# Altium PCB DIOT_PSU_AC_180.pcbdoc (part 1 of 2) (continued)
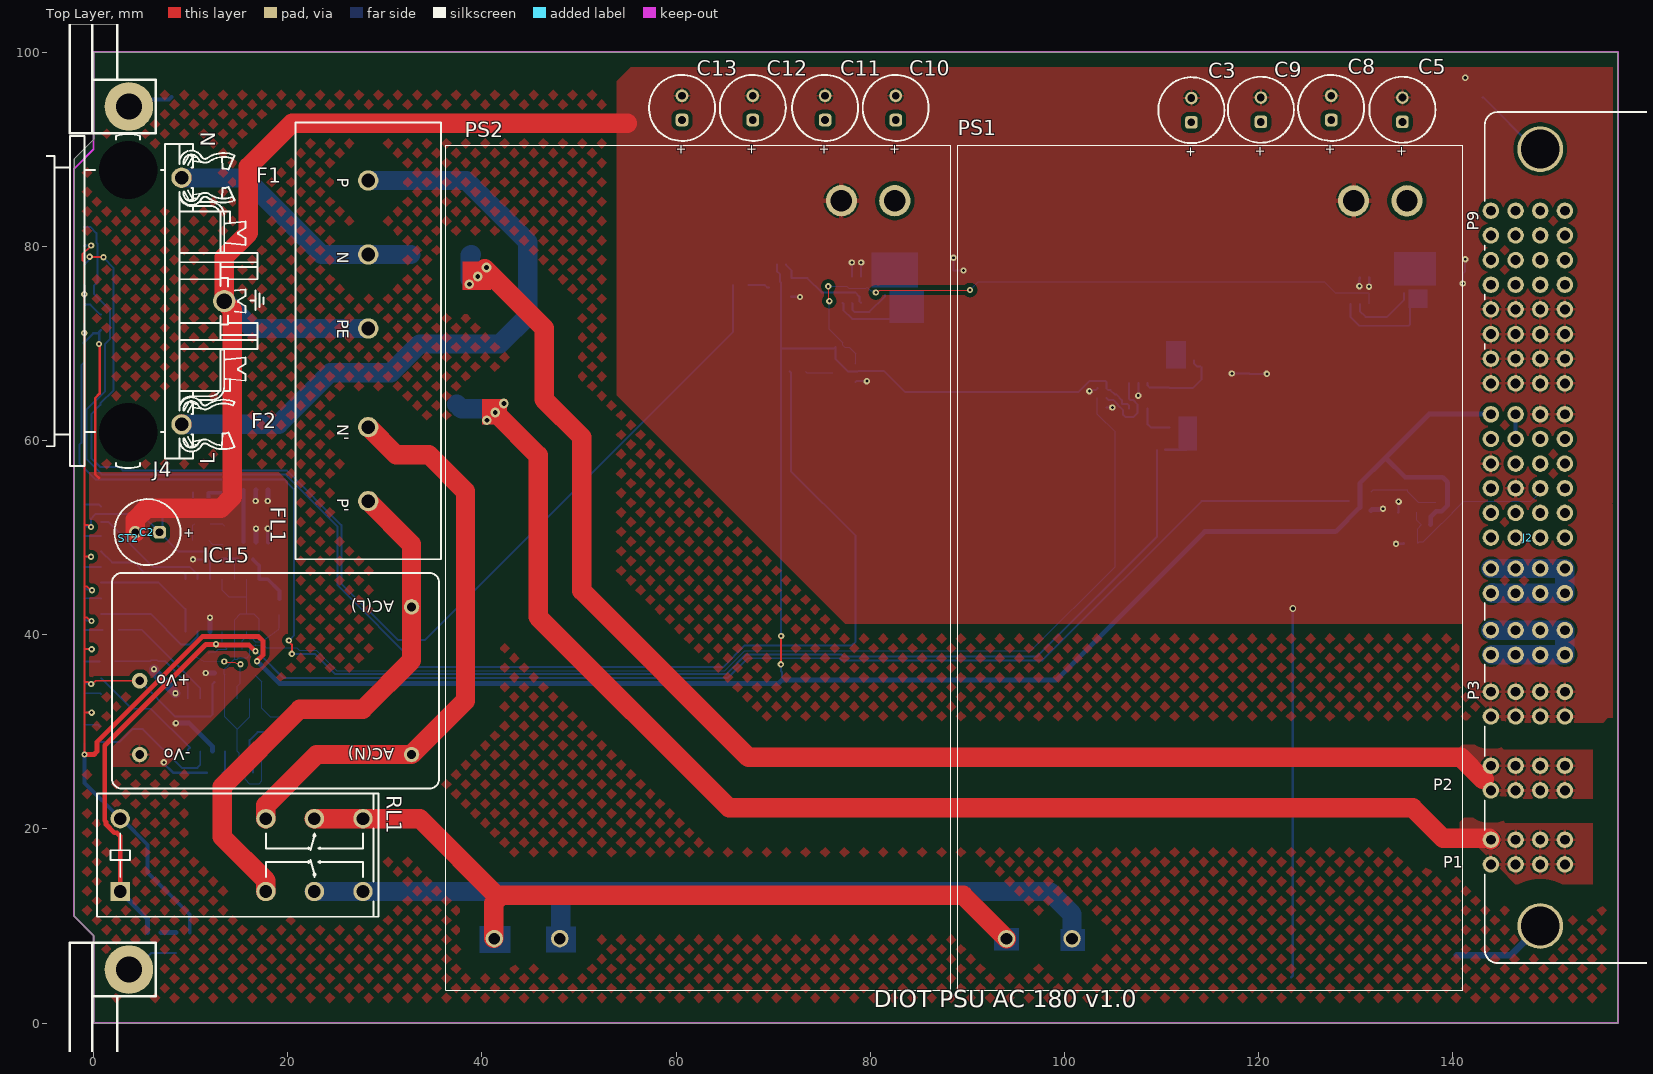
[diagram p0: Top Layer view]
## Footprints (in the part's own frame and the unit in brackets; to place one, negate y for a bottom-side part, rotate by r counter-clockwise, add the part's x,y. Pads: shape width x height; smd on the part's side, far side on the other; paste and mask are expansions set on the pad)
AMPHENOL_51939-667 [mm] "Right Angle PowerBlade Power Connector 3ACP + 2P + 24S + 4P Contacts"
  round 1.7 hole 1: A1(0,-33.66) A2(0,-31.12) A3(0,-28.58) A4(0,-26.04) A5(0,-23.5) A6(0,-20.96) B1(-2.54,-33.66) B2(-2.54,-31.12) B3(-2.54,-28.58) B4(-2.54,-26.04) B5(-2.54,-23.5) B6(-2.54,-20.96) C1(-5.08,-33.66) C2(-5.08,-31.12) C3(-5.08,-28.58) C4(-5.08,-26.04) C5(-5.08,-23.5) C6(-5.08,-20.96) D1(-7.62,-33.66) D2(-7.62,-31.12) D3(-7.62,-28.58) D4(-7.62,-26.04) D5(-7.62,-23.5) D6(-7.62,-20.96) P1(-7.62,-67.32) P1(-7.62,-64.78) P1(-5.08,-67.32) P1(-5.08,-64.78) P1(-2.54,-67.32) P1(-2.54,-64.78) P1(0,-67.32) P1(0,-64.78) P2(-7.62,-59.7) P2(-7.62,-57.16) P2(-5.08,-59.7) P2(-5.08,-57.16) P2(-2.54,-59.7) P2(-2.54,-57.16) P2(0,-59.7) P2(0,-57.16) P3(-7.62,-52.08) P3(-7.62,-49.54) P3(-5.08,-52.08) P3(-5.08,-49.54) P3(-2.54,-52.08) P3(-2.54,-49.54) P3(0,-52.08) P3(0,-49.54) P4(-7.62,-45.73) P4(-7.62,-43.19) P4(-5.08,-45.73) P4(-5.08,-43.19) P4(-2.54,-45.73) P4(-2.54,-43.19) P4(0,-45.73) P4(0,-43.19) P5(-7.62,-39.38) P5(-7.62,-36.84) P5(-5.08,-39.38) P5(-5.08,-36.84) P5(-2.54,-39.38) P5(-2.54,-36.84) P5(0,-39.38) P5(0,-36.84) P6(-7.62,-17.78) P6(-7.62,-15.24) P6(-5.08,-17.78) P6(-5.08,-15.24) P6(-2.54,-17.78) P6(-2.54,-15.24) P6(0,-17.78) P6(0,-15.24) P7(-7.62,-12.7) P7(-7.62,-10.16) P7(-5.08,-12.7) P7(-5.08,-10.16) P7(-2.54,-12.7) P7(-2.54,-10.16) P7(0,-12.7) P7(0,-10.16) P8(-7.62,-7.62) P8(-7.62,-5.08) P8(-5.08,-7.62) P8(-5.08,-5.08) P8(-2.54,-7.62) P8(-2.54,-5.08) P8(0,-7.62) P8(0,-5.08) P9(-7.62,-2.54) P9(-7.62,0) P9(-5.08,-2.54) P9(-5.08,0) P9(-2.54,-2.54) P9(-2.54,0) P9(0,-2.54) P9(0,0)
  round 4.7 / inner round 4.7 / far side round 6.4 hole 4: MTG1(-2.54,6.345)
  round 4.7 / inner round 4.3 / far side round 6.4 hole 4: MTG2(-2.54,-73.665)
  silkscreen extent -8.25,-77.47 15.37,10.16, body extent -8.25,-77.47 15.37,10.16, height 12.57
CAPC1005X55N [mm] "Capacitor, Non-Polarized, Chip; 1.00mm L X 0.50mm W X 0.70mm H, IPC Medium Density"
  rect 0.62x0.62 smd: 1(-0.45,0) 2(0.45,0)
  body extent -0.52,-0.27 0.53,0.28, height 0.55
CAPC2013X145N [mm] "Capacitor, Non-Polarized, Chip; 2.00mm L X 1.25mm W X 1.45mm H, IPC Medium Density"
  rect 1.15x1.45 smd: 1(-0.9,0) 2(0.9,0)
  silkscreen extent 0,-0.63 0,0.63, body extent -1.1,-0.72 1.1,0.73, height 1.45
CONV_IRM-90-12 [mm]
  round 3.216 hole 2.2: +VO(37.8,-20.25) -VO(37.8,-14.75)
  round 1.8 hole 1.2: AC_L(-38.2,14.25) AC_N(-38.2,21)
  silkscreen extent -43.5,-26 43.5,26, body extent -43.5,-26 43.5,26, height 29.51
DIOM5436X261N [mm]
  rect 2.2x2.15 smd: 1(-2.2,0) 2(2.2,0)
  silkscreen extent -3.92,-1.8 2.7,1.8, body extent -2.7,-1.95 2.7,1.95, height 2.59
FIDUCIAL_TOP_C100-200 [mm] "Round Fiducial Target, Top Layer, 1.0mm, Top Solder 2.0mm, Keepout =2.0mm"
  round 1 smd paste-0.51 mask+0.5: FTG2(0,0)
  Top Layer keep-out circle w0.1: c0,0 r1
FIDUCIAL_TOP_S100-200 [mm] "Square Fiducial Target, Top Layer, 1.0mm, Top Solder 2.0mm, Keepout =2.0mm"
  rect 1x1 smd rot 45 paste-0.51 mask+0.5: 1(0,0)
  Top Layer keep-out region: 1.414,0 0,-1.414 -1.414,0 0,1.414
"FIL_SCHAFFNER_FN 406" [mm] "0.5 to 8.4A 250VAC Single Phase Ultra Compact EMC Filter (Body 45 x 15 x 28mm)"
  round 2.1 hole 1.4: N(-8.89,0) N'(8.89,0) P(-16.51,0) P'(16.51,0) PE(-1.27,0)
  silkscreen extent -22.5,-7.5 22.5,7.5, body extent -22.5,-7.55 22.5,7.54, height 29.5
FP-DFN3x3A_8L_EP1_P-MFG [mm]
  rect 0.35x0.5 smd paste+0 mask+0: 1(-0.975,-1.4) 2(-0.325,-1.4) 3(0.325,-1.4) 4(0.975,-1.4)
  round 1.769 smd paste+0 mask+0: 5-6-7-8(-0.038,0.367)
  Top Layer region: -1.225,-0.63 -1.225,-0.215 -1.605,-0.215 -1.605,0.215 -1.225,0.215 -1.225,1.35 -1.175,1.35 -1.175,1.65 -0.775,1.65 -0.775,1.35 -0.525,1.35 -0.525,1.65 -0.125,1.65 -0.125,1.35 0.125,1.35 0.125,1.65 0.525,1.65 0.525,1.35 0.775,1.35 0.775,1.65 1.175,1.65 1.175,1.35 1.225,1.35 1.225,0.215 1.605,0.215 1.605,-0.215 1.225,-0.215 1.225,-0.63
  silkscreen extent -1.9,-2.35 1.9,1.55, body extent -1.55,-1.6 1.55,1.6, height 0.9
FUSE_5X20_GLASS_v [mm] "Generic 5x20mm Cylindrical Glass Fuse (Vertical Mount)"
  body extent -2.5,-2.5 2.5,2.5, height 20
LED_AVAGO_HSME-C120 [mm] "Green Chip LED, 2-Leads, Body 1.7x1.1mm, Side Emitting Package"
  rect 0.8x0.7 smd: 1(-1,0) 2(1,0)
  rect 0.4x0.4 smd: 3(0,-0.35)
  silkscreen extent -1.12,-0.92 0.42,0.8, body extent -0.85,-0.3 0.85,0.8, height 0.7
PWS_MEANWELL_IRM-02 [mm] "IRM-02 Series, Body 33.7x22.2mm, Power Supply"
  round 1.6 hole 0.9: 1(-14,7.6) 2(-14,-7.6) 3(14,7.6) 4(14,0)
  silkscreen extent -16.85,-11.1 16.85,11.1, body extent -16.85,-11.1 16.85,11.1, height 15
REL_OMRON_G2RL-2-5DC [mm] "8 Leads, Row Spacing 7.5 mm; Body 29mm x 12.7mm, OMRON_G2RL Series"
  rect 2x2 hole 1.3: 1(-12.1,-3.75)
  round 2 hole 1.3: 2(2.9,-3.75) 3(7.9,-3.75) 4(12.9,-3.75) 5(12.9,3.75) 6(7.9,3.75) 7(2.9,3.75) 8(-12.1,3.75)
  silkscreen extent -14.5,-6.35 14.5,6.35, body extent -14.5,-6.35 14.5,6.35, height 15.7
RES_VISHAY_WSK2512_0R005-0R2 [mm] "EIA 2512, Metric 6332, Current Sense Resistor, Chip, 0.89mm H, IPC Medium Density"
  rect 1.4x0.76 smd: E1(-3.43,-1.27) E2(3.43,1.27)
  rect 2.29x2.03 smd: I1(-2.985,0.635) I2(2.985,-0.635)
  Top Layer keep-out region: -2.48,-0.89 -1.84,-0.89 -1.84,-1.65 -2.48,-1.65
  Top Layer keep-out region: 2.48,0.89 1.84,0.89 1.84,1.65 2.48,1.65
  silkscreen extent -2.38,-1.72 2.38,1.72, body extent -3.3,-1.72 3.3,1.72, height 0.89
RESC1005X40N [mm] "Chip Resistor, EIA 0402, Metric 1005, Body 1.0x0.5mm, IPC Medium Density"
  rect 0.58x0.62 smd: 1(-0.47,0) 2(0.47,0)
  body extent -0.52,-0.27 0.53,0.28, height 0.4
RESC1608X55N [mm] "Chip Resistor, EIA 0603, Metric 1608, Body 1.6x0.8mm, IPC Medium Density"
  rect 0.9x1 smd: 1(-0.8,0) 2(0.8,0)
  body extent -0.87,-0.47 0.88,0.48, height 0.55
RESC6331X70N [mm] "Chip Resistor, EIA 2512, Metric 6331, 2-Leads, Body 6.3x3.1mm, IPC Medium Density"
  rect 1.05x3.3 smd: 1(-3.1,0) 2(3.1,0)
  silkscreen extent -2.2,-1.65 2.2,1.65, body extent -3.25,-1.65 3.25,1.65, height 0.7
SCHROFF_PANEL_3HP_8U_CPCIS_AC_PSU [mm] "Schroff PCB 8HP 3U Eurocard Panel Kit"
  round 5 hole 2.7: 0(0,0) 1(0,88.9)
  silkscreen extent -6.1,-8.6 2.75,97.5, body extent -43.8,-21.9 16.65,108.65, height 33.87
SCHURTER_GSF1.2202.31 [mm] "IEC Appliance Inlet C14 with 2 Pole Fuseholder"
  round 2.1 hole 1.4: 1(-12.7,-5.5) 3(12.7,-5.5)
  round 2.3 hole 1.6: 2(0,-9.9)
  round 1 hole 6 unplated mask+2.5: 4(-13.5,0) 5(13.5,0)
  silkscreen extent -17.2,-13.93 17.2,12, body extent -17.18,-13.3 17.18,12, height 24.45
SODFL1608X65N [mm] "Ultra Small Outline Diode Flat Lead (SOD-523), Body; 1.2mm L X 0.8mm W X 0.65mm H, IPC Medium Density"
  rect 0.75x0.5 smd: 1(-0.7,0) 2(0.7,0)
  silkscreen extent -1.23,0.63 -0.98,0.87, body extent -0.82,-0.42 0.83,0.43, height 0.65
SOIC127P600X175-8N [mm] "SOIC 8, Pitch 1.27mm - Body 4x5mm, IPC Medium Density"
  rect 1.55x0.6 smd: 1(-2.7,1.905) 2(-2.7,0.635) 3(-2.7,-0.635) 4(-2.7,-1.905) 5(2.7,-1.905) 6(2.7,-0.635) 7(2.7,0.635) 8(2.7,1.905)
  silkscreen extent -2.52,-2.5 1.55,2.88, body extent -3.1,-2.5 3.1,2.5, height 1.75
SOIC127P600X175-14N [mm] "SOIC 14, Pitch 1.27mm - Body 4x8.75mm, IPC Medium Density"
  rect 1.55x0.6 smd: 1(-2.7,3.81) 2(-2.7,2.54) 3(-2.7,1.27) 4(-2.7,0) 5(-2.7,-1.27) 6(-2.7,-2.54) 7(-2.7,-3.81) 8(2.7,-3.81) 9(2.7,-2.54) 10(2.7,-1.27) 11(2.7,0) 12(2.7,1.27) 13(2.7,2.54) 14(2.7,3.81)
  silkscreen extent -2.52,-4.4 1.55,4.78, body extent -3.1,-4.37 3.1,4.38, height 1.75
SOT95P240X110-3N [mm] "SOT23 3-Leads, Pitch 0.95mm, Body 1.3x2.9mm, IPC Medium Density"
  rect 1.05x0.65 smd: 1(-1.15,0.95) 2(-1.15,-0.95) 3(1.15,0)
  silkscreen extent -1.53,-1.45 0.3,1.92, body extent -1.25,-1.5 1.25,1.5, height 1.1
SOT95P280X100-6N [mm] "SOT23, 0.95mm pitch; 6 pin, 1.625mm W X 2.90mm L X 1.00mm H body, IPC Medium Density"
  rect 1.1x0.55 smd: 1(-1.35,0.95) 2(-1.35,0) 3(-1.35,-0.95) 4(1.35,-0.95) 5(1.35,0) 6(1.35,0.95)
  silkscreen extent -1.77,-1.45 0.48,1.87, body extent -1.4,-1.5 1.4,1.5, height 1
SOT95P280X145-5N [mm] "SOT, 0.95mm pitch; 5 pin, 1.60mm W X 2.90mm L X 1.45mm H body, IPC Medium Density"
  rect 1.1x0.6 smd: 1(-1.3,0.95) 2(-1.3,0) 3(-1.3,-0.95) 4(1.3,-0.95) 5(1.3,0.95)
  silkscreen extent -1.72,-1.45 0.43,1.87, body extent -1.4,-1.5 1.4,1.5, height 1.45
WCAP-ATLI_D6.3H15 [mm] "Aluminum Electrolytic Capacitors, 6.3x15mm"
  rrect50% 1.3x1.3 hole 0.8: 1(1.25,0)
  round 1.3 hole 0.8: 2(-1.25,0)
  silkscreen extent -3.4,-3.4 3.4,3.4, body extent -3.14,-3.15 3.15,3.15, height 15.31

## Part data
C1 C34: library part CC0805_2.2UF_35V_10%_X7R_TDK_CGA4J1X7R1V225K125AC, "Non-polarised capacitor", Case=0805, Manufacturer=TDK, Manufacturer Part Number=CGA4J1X7R1V225K125, Tolerance=±10%, Voltage=35V, Author="CERN DEM BC", Component Type=Standard, ComponentHeight=1.45mm, CreateDate=26.02.2016, HelpURL=\\cern.ch\dfs\Applications\Altium\Datasheets\CC0805_X7R_TDK_CGA.pdf, LatestRevisionDate=13.09.2016, Mounted=Yes, Part Description="SMD Multilayer Chip Ceramic Capacitor (Automotive Grade)", Part Number=CC0805_2.2UF_35V_10%_X7R_TDK_CGA4J1X7R1V225K125AC, Pin Count=2, Sense=No, SMD=Yes, Socket=No, Status="Not Recommended", TC=X7R
C2 C3 C5 C8 C9 C10 C11 C12 C13: library part 860080473007, "WCAP-ATLI Aluminum Electrolytic Capacitor, Radial, THT, D6.3 x H15mm, 120µF, 25V", Capacitance Tolerance=+/-20%, Leakage Current=30µA, Manufacturer="Wurth Elektronik", Operating Temperature Max=105°C, Operating Temperature Min=-55°C, Rated Voltage (DC)=25V, Ripple Current=490mA, Capacitance=120µF, Category="Aluminum Electrolytic Capacitors", ComponentLink1Description="Website Link", ComponentLink1URL=https://www.we-online.com/redexpert/article/860080473007?ad, ComponentLink2Description="Datasheet Link", ComponentLink2URL=https://www.we-online.com/redexpert/spec/860080473007?ad, Diameter=6.3mm, Dissipation Factor=10%, Endurance=2000h, Height=15mm, Manufacturer Part Number=860080473007, Match Code=WCAP-ATLI, Mount="Through Hole", Packaging="Ammo Pack", Technical Reference=ATED150121M025DSPA4B000
C4 C6 C22: library part CC0402_100NF_25V_10%_X7R_YUDEN_TMK105B7104KVHF, "Non-polarised capacitor", Case=0402, Manufacturer="TAIYO YUDEN", Manufacturer Part Number=TMK105B7104KVHF, Tolerance=±10%, Voltage=25V, Author="CERN DEM JLC", Component Type=Standard, ComponentHeight=0.55mm, CreateDate=10/05/2017, HelpURL=\\cern.ch\dfs\Applications\Altium\Datasheets\CC0402_TAIYO-YUDEN_TMK105B7104KVHF.pdf, LatestRevisionDate=10/05/2017, Mounted=Yes, Part Description="SMD Multilayer Chip Ceramic Capacitor (High Dielectric Type) for Automotive / Industrial Applications", Part Number=CC0402_100NF_25V_10%_X7R_YUDEN_TMK105B7104KVHF, Pin Count=2, Sense=No, SMD=Yes, Socket=No, Status="Not Recommended", TC=X7R
C7: library part CC0402_10NF_50V_10%_X7R, "Non-polarised capacitor", Case=0402, Manufacturer=GENERIC, Manufacturer1 ComponentHeight=0.55mm, Manufacturer1 Example=MURATA, Manufacturer1 Part Number=GRM155R71H103KA88D, Tolerance=±10%, Voltage=50V, Author="CERN DEM MR", Component Type=Standard, CreateDate=08/01/2016, HelpURL=\\cern.ch\dfs\Applications\Altium\Datasheets\CC0402_X7R_MURATA_GRM.pdf, LatestRevisionDate=08/01/2016, Manufacturer Part Number=CC0402_10NF_50V_10%_X7R, Mounted=Yes, Part Description="SMD Multilayer Chip Ceramic Capacitor", Part Number=CC0402_10NF_50V_10%_X7R, Pin Count=2, Sense=No, SMD=Yes, Socket=No, Status=None, TC=X7R
D1 D2 D10: "ESD protection diode", Case=SOD523, Manufacturer="NXP SEMICONDUCTORS", Power=330W, Voltage=3V3, Author="CERN DEM JLC", Bonding=No, Component Type=Standard, ComponentHeight=0.65mm, CreateDate=29.11.2012, Device=PESD3V3S1UB, HelpURL=\\cern.ch\dfs\Applications\Altium\Datasheets\PESD3V3S1UB.pdf, LatestRevisionDate=29.11.2012, Manufacturer Part Number=PESD3V3S1UB, Mounted=Yes, PackageDescription="Ultra Small Outline Diode Flat Lead (SOD-523), Body; 1.2mm L X 0.8mm W X 0.65mm H, IPC Medium Density", Part Description="ESD protection diode (23kV)", Part Number=PESD3V3S1UB, Pin Count=2, PressFit=No, Sense=No, SMD=Yes, Socket=No
D5: "Transient Voltage Suppressor Diode (Uni-Directional)", Case=SMB, Manufacturer=LITTELFUSE, Power=600W, Voltage=15V, Author="CERN DEM JLC", Bonding=No, Component Type=Standard, ComponentHeight=2.61mm, CreateDate=12.07.2017, Device=P6SMB15A, HelpURL=\\cern.ch\dfs\Applications\Altium\Datasheets\P6SMB15A.pdf, LatestRevisionDate=12.07.2017, Manufacturer Part Number=P6SMB15A, Mounted=Yes, PackageDescription="DO-214-AA/SMB Diode, Molded Body; 5.40mm L X 3.62mm W X 2.61mm H, IPC Medium Density", Part Description="Uni-directional Transient Voltage Suppressor (TVS) Diode", Part Number=P6SMB15A, Pin Count=2, PressFit=No, Sense=No, SMD=Yes, Socket=No
F1 F2: library part FUSE_SCHURTER_0034.3127_v, "Fuse", Manufacturer=SCHURTER, Manufacturer Part Number=0034.3127, Author="CERN DEM JLC", Component Type=Standard, ComponentHeight=20.5mm, CreateDate=28.01.2013, Family=Fuse, HelpURL=\\cern.ch\dfs\Applications\Altium\Datasheets\FUSE_SCHURTER_FST5X20.pdf, LatestRevisionDate=28.01.2013, Mounted=Yes, PackageDescription="5x20mm Cylindrical Fuse, SCHURTER FST5X20 Series", Part Description="Cylindrical 5x20 mm, Time-Lag T Miniature Fuse, FST Series", Part Number=FUSE_SCHURTER_0034.3127_v, Pin Count=0, PressFit=No, Sense=No, SMD=No, Socket=Yes
FL1: library part "FIL_SCHAFFNER_FN 406-1-02", "0.6 to 8.4A 230VAC Single Phase Ultra Compact EMC Filter", Case="L45 W15 H28", Manufacturer=SCHAFFNER, Manufacturer Part Number=FN406-3-02, Part Number=FIL_SCHAFFNER_FN406-3-02, Author="CERN DEM JLC", Component Type=Standard, ComponentHeight=28mm, CreateDate=24.05.2017, HelpURL="\\cern.ch\dfs\Applications\Altium\Datasheets\FIL_SCHAFFNER_FN 406-1-02.pdf", LatestRevisionDate=24.05.2017, Mounted=Yes, Part Description="Single Phase Ultra Compact EMC Filter", Pin Count=5, Sense=No, SMD=No, Socket=No
FTG1 FTG3: library part FIDUCIAL_TARGET_C100-200, "Fiducial Target", Author="CERN DEM JLC", Component Type="Standard (No BOM)", ComponentHeight=0mm, CreateDate=09.02.2010, Family=Fiducial, HelpURL=Undefined, LatestRevisionDate=04.04.2012, Mounted=No, PackageDescription="Round Fiducial Target, Top Layer, 1.0mm, Top Solder 2.0mm, Keepout =2.0mm", Part Description="Round Fiducial Target, Top Layer, 1.0mm, Top Solder 2.0mm, Keepout =2.0mm", Part Number=FIDUCIAL_TARGET_C100-200, Pin Count=1, Sense=No, SMD=Yes, Socket=No, Status=None
FTG2 FTG4: library part FIDUCIAL_TARGET_S100-200, "Fiducial Target", Author="CERN DEM JLC", Component Type="Standard (No BOM)", ComponentHeight=0mm, CreateDate=09.02.2010, Family=Fiducial, HelpURL=Undefined, LatestRevisionDate=04.04.2012, Mounted=No, PackageDescription="Square Fiducial Target, Top Layer, 1.0mm, Top Solder 2.0mm, Keepout =2.0mm", Part Description="Square Fiducial Target, Top Layer, 1.0mm, Top Solder 2.0mm, Keepout =2.0mm", Part Number=FIDUCIAL_TARGET_S100-200, Pin Count=1, Sense=No, SMD=Yes, Socket=No, Status=None
IC1 IC3: library part LTC4412HVIS6#PBF, "36V, Low Loss PowerPathTM Controller in ThinSOT", Case=SOT23-6, Manufacturer="LINEAR TECHNOLOGY", Author="CERN DEM JLC", Bonding=No, Component Type=Standard, ComponentHeight=1mm, CreateDate=22.03.2018, Device=LTC4412HVIS6, HelpURL=\\cern.ch\dfs\Applications\Altium\Datasheets\LTC4412HVIS6#PBF.pdf, LatestRevisionDate=02.02.2022, Manufacturer Part Number=LTC4412HVIS6, Mounted=Yes, PackageDescription="SOT, 0.95mm Pitch; 6 Pin, 1.625mm W X 2.90mm L X 1.00mm H body, IPC Medium Density", Part Description="36V, Low Loss PowerPath Controller in ThinSOT", Part Number=LTC4412HVIS6#PBF, Pin Count=6, PressFit=No, Sense=No, SMD=Yes, Socket=No
IC2 IC4: "Quad Operational Amplifier", Case=SOIC14, Manufacturer="TEXAS INSTRUMENTS", Author="CERN DEM JLC", Bonding=No, Component Type=Standard, ComponentHeight=1.75mm, CreateDate=09.03.2011, Device=LM339AD, HelpURL=\\cern.ch\dfs\Applications\Altium\Datasheets\LM339AD.pdf, LatestRevisionDate=09.03.2011, Manufacturer Part Number=LM339AD, Mounted=Yes, PackageDescription="SOIC 14, Pitch 1.27mm - Body 4x8.75mm, IPC Medium Density", Part Description="Quad Differential Comparator", Part Number=LM339AD, Pin Count=14, PressFit=No, Sense=No, SMD=Yes, Socket=No
IC8: "Precision Programmable Reference", Case=SOIC8, Manufacturer="TEXAS INSTRUMENTS", Author="CERN DEM JLC", Bonding=No, Component Type=Standard, ComponentHeight=1.75mm, CreateDate=18.01.2011, Device=TL431CD, HelpURL=\\cern.ch\dfs\Applications\Altium\Datasheets\TL431CD.pdf, LatestRevisionDate=28.02.2011, Manufacturer Part Number=TL431CD, Mounted=Yes, PackageDescription="SOIC 8, Pitch 1.27mm, Body 4x5mm, IPC Medium Density", Part Description="Vref (2.5V) To 36V 2% Precision Programmable Reference", Part Number=TL431CD, Pin Count=8, PressFit=No, Sense=No, SMD=Yes, Socket=No
IC12: "Current Shunt Monitor -16V to +80V Common-Mode Range", Case=SOT23-5, Manufacturer="TEXAS INSTRUMENTS", Author="CERN DEM JLC", Bonding=No, Component Type=Standard, ComponentHeight=1.45mm, CreateDate=10.05.2010, Device=INA194AIDBVT, HelpURL=\\cern.ch\dfs\Applications\Altium\Datasheets\INA194AIDBVT.pdf, LatestRevisionDate=10.05.2010, Manufacturer Part Number=INA194AIDBVT, Mounted=Yes, PackageDescription="SOT, 0.95mm pitch; 5 pin, 1.60mm W X 2.90mm L X 1.45mm H body, IPC Medium Density", Part Description="Current Shunt Monitor -16V to +80V Common-Mode Range", Part Number=INA194AIDBVT, Pin Count=5, PressFit=No, Sense=No, SMD=Yes, Socket=No
IC15: library part AC_DC_IRM-02-5, "Power Supply", Manufacturer="MEAN WELL", Author=GK, Bonding=No, Component Type=Standard, ComponentHeight=15mm, CreateDate=14.02.2018, Device=IRM-02-5, HelpURL=\\cern.ch\dfs\Applications\Altium\Datasheets\IRM-02-24.pdf, LatestRevisionDate=14.02.2018, Manufacturer Part Number=IRM-02-5, Mounted=Yes, PackageDescription="IRM-02 Series, Body 33.7x22.2mm, Power Supply", Part Description="85-305VAC to 5VDC (400mA) 2W Power Supply", Part Number=IRM-02-5, Pin Count=4, PressFit=No, Sense=No, SMD=No, Socket=No, Status=None
J2: library part AMPHENOL_51939-667, "Thru-Hole, Lead 3.43mm, PowerBlade Right Angled Power Connector 3ACP 2P 24S 4P Contacts", Manufacturer=AMPHENOL, Manufacturer Part Number=51939-667, Author="CERN DEM JLC", ComponentHeight=12.57mm, Component Type=Standard, CreateDate=05.03.2019, Family=PwrBlade, HelpURL=\\cern.ch\dfs\Applications\Altium\Datasheets\AMPHENOL_51939-667.pdf, LatestRevisionDate=05.03.2019, Mounted=Yes, Part Description="Right Angle PowerBlade Power Connector 3ACP + 2P + 24S + 4P Contacts", Part Number=AMPHENOL_51939-667, Pin Count=33, PressFit=No, Sense=No, SMD=No, Socket=No, Status=None
J4: library part SCHURTER_GSF1.2202.31, "Connector 3 Male 2P+ 2 Fuse Holder", Manufacturer=SCHURTER, Manufacturer Part Number=GSF1.2201.31, Part Number=SCHURTER_GSF1.2201.31, Author="CERN DEM JMW", Component Type=Standard, ComponentHeight=24.45mm, CreateDate=20.09.2012, Family=IEC, HelpURL=\\cern.ch\dfs\Applications\Altium\Datasheets\SCHURTER_GSF1.2202.31.pdf, LatestRevisionDate=20.09.2012, Mounted=Yes, Part Description="10A 250Vac Sandwich Panel Mount (1.5mm) Inlet IEC Connector With 2 Fuseholder 5x20mm And Snap-in PCB Mount", Pin Count=3, PressFit=No, Sense=No, SMD=No, Socket=No, Status=None
LD1 LD2 LD3 LD4 LD5 LD6 LD7 LD8 LD9 LD10 LD11 LD12: library part LED_AVAGO_HSME-C120, "LED Green 1C 2A", Manufacturer="AVAGO TECHNOLOGIES", Manufacturer Part Number=HSME-C120, Author="CERN DEM JMW", Bonding=No, Color=Green, Component Type=Standard, ComponentHeight=0.7mm, ComponentLink1Description="Design Guide", ComponentLink1URL=\\cern.ch\dfs\Applications\Altium\Datasheets\LED_AVAGO_HSME-C110_DESIGN-GUIDE.pdf, CreateDate=22.07.2009, HelpURL=\\cern.ch\dfs\Applications\Altium\Datasheets\LED_AVAGO_HSME-C120.pdf, LatestRevisionDate=20.06.2012, Mounted=Yes, PackageDescription="Green Chip LED, 2-Leads, Body 1.7x1.1mm, Side Emitting Package", Part Description="High Performance Right Angle Chip Green LED", Part Number=LED_AVAGO_HSME-C120, Pin Count=2, PressFit=No, Sense=No, SMD=Yes, Socket=No
PS1 PS2: library part AC_DC_IRM-90-12, Package=None, Availability=Unavailable, MF="{'manufacturer': u'MEAN WELL USA Inc.'}", MP=IRM-90-12, Price=None
Q1 Q2: library part CMP-83955-000002-1, "MOSFET P-CH 30V 3X3 DFN", Continuous Drain Current=-24A, Drain To Source Breakdown Voltage=-30V, Drain To Source Resistance=9.2mΩ, Gate To Source Voltage=25V, Input Capacitace At Vds="1995pF @ -15V", Manufacturer="Alpha & Omega Semiconductor", Max Forward Diode Voltage=-1V, Max Junction Temp=+150°C, Package=DFN3x3A_8L_EP1_P, Power Dissipation=5W, Pulse Drain Current=-82A, Temperature="-55°C to +150°C", Temperature Range Low=-55°C, Typ Forward Diode Voltage=-0.7V, Automotive=No, Category=Trans, ComponentLink2Description=Datasheet, ComponentLink2URL=http://www.aosmd.com/res/data_sheets/AONR21307.pdf, Depletion Mode=False, Device Class L1="Discrete Semiconductors", Device Class L2=Transistors, Device Class L3=MOSFETs, Digikey Description="MOSFET P-CH 30V 3X3 DFN", Drain To Source Voltage=-30V, Footprint Url=http://www.aosmd.com/res/packaging_information/DFN3x3A_8L_EP1_P.pdf, Gate Charge At Vgs="35nC @ -10V", Height=0.9mm, Lead Free=Yes, Manufacturer Part Number=AONR21307, Number Of Channels=1, Number Of P Channels=1, Octopart=https://octopart.com/aonr21307-alpha+%26+omega+semiconductor-96014004, Reverse Recovery Charge=20nC, Reverse Recovery Time=13.3ns, RoHS=TRUE, Rthja Max=45°C/W, Standoff Height=0mm, Temperature Range High=+150°C, Threshold Vgs Max=-2.3V, Threshold Vgs Min=-1.3V, Turn Off Delay Time=43.5ns, Turn On Delay Time=11ns
R1: library part R2512_0R002_1%_1W_35PPM_VISHAY_WSK, "Power and Current Sensing Resistor", Case=2512, Manufacturer="VISHAY DALE", Manufacturer Part Number=WSK25122L000FEA, Power=1W, Tolerance=±1%, Author="CERN DEM MR", Component Type=Standard, ComponentHeight=0.89mm, CreateDate=08.11.2016, HelpURL=\\cern.ch\dfs\Applications\Altium\Datasheets\R2512_VISHAY_WSK.pdf, LatestRevisionDate=19.02.2018, Mounted=Yes, Part Description="Power Metal Strip® Resistor, Low Value", Part Number=R2512_0R002_1%_1W_35PPM_VISHAY_WSK, Pin Count=4, PressFit=No, Sense=No, SMD=Yes, Socket=No, Status=None, TC=±35ppm/°C
R2 R4 R6 R8 R11 R13 R46 R47 R48 R56 R58 R60: library part R0603_10K_1%_0.1W_100PPM, "Resistor - 1%", Case=0603, Manufacturer=GENERIC, Manufacturer1 ComponentHeight=0.55mm, Manufacturer1 Example="NIC COMPONENT", Manufacturer1 Part Number=NRC06F1002TRF, Power=0.1W, Tolerance=±1%, Author="CERN DEM JLC", Component Type=Standard, CreateDate=03.12.2007, HelpURL=\\cern.ch\dfs\Applications\Altium\Datasheets\R0603_NIC_NRC.pdf, LatestRevisionDate=13.03.2008, Manufacturer Part Number=R0603_10K_1%_0.1W_100PPM, Mounted=Yes, Part Description="General Purpose Thick Film Chip Resistor", Part Number=R0603_10K_1%_0.1W_100PPM, Pin Count=2, PressFit=No, Sense=No, SMD=Yes, Socket=No, Status=Preferred, TC=±100ppm/°C
R3 R15 R16 R21 R45: library part R0402_10K_1%_0.0625W_100PPM, "Resistor - 1%", Case=0402, Manufacturer=GENERIC, Manufacturer1 ComponentHeight=0.4mm, Manufacturer1 Example="YAGEO PHYCOMP", Manufacturer1 Part Number=232270671003L, Power=0.0625W, Tolerance=±1%, Author="CERN DEM JLC", Component Type=Standard, HelpURL=\\cern.ch\dfs\Applications\Altium\Datasheets\R0402_Phycomp_RC0402.pdf, Manufacturer Part Number=R0402_10K_1%_0.0625W_100PPM, Mounted=Yes, Part Description="General Purpose Thick Film Chip Resistor", Part Number=R0402_10K_1%_0.0625W_100PPM, Pin Count=2, SMD=Yes, Socket=No, TC=±100ppm/°C
  R3 R15 R16 R21: CreateDate=2007-12-03, LatestRevisionDate=2012-10-17, Status="Not recommended", Table="Resistors SMD"
  R45: CreateDate=03/12/2007, LatestRevisionDate=17/10/2012, PressFit=No, Sense=No, Status="Not Recommended"
R5 R7 R9 R10 R12 R14 R20 R42 R43 R44 R55 R57 R59: library part R0603_1K_1%_0.1W_100PPM, "Resistor - 1%", Case=0603, Manufacturer=GENERIC, Manufacturer1 ComponentHeight=0.55mm, Manufacturer1 Example="NIC COMPONENT", Manufacturer1 Part Number=NRC06F1001TRF, Power=0.1W, Tolerance=±1%, Author="CERN DEM JLC", Component Type=Standard, CreateDate=03.12.2007, HelpURL=\\cern.ch\dfs\Applications\Altium\Datasheets\R0603_NIC_NRC.pdf, LatestRevisionDate=13.03.2008, Manufacturer Part Number=R0603_1K_1%_0.1W_100PPM, Mounted=Yes, Part Description="General Purpose Thick Film Chip Resistor", Part Number=R0603_1K_1%_0.1W_100PPM, Pin Count=2, PressFit=No, Sense=No, SMD=Yes, Socket=No, Status=Preferred, TC=±100ppm/°C
R17 R18: library part R2512_NO-VALUE, "Resistor", Case=2512, Author="CERN DEM JLC", Component Type=Standard, CreateDate=01.04.2014, HelpURL=Undefined, LatestRevisionDate=01.04.2014, Manufacturer=Undefined, Manufacturer1 ComponentHeight=Undefined, Manufacturer1 Example=Undefined, Manufacturer1 Part Number=Undefined, Manufacturer Part Number=R2512_NO-VALUE, Mounted=No, Part Description="Reserved Footprint For a 2512 (6332) Chip Resistor", Part Number=R2512_NO-VALUE, Pin Count=2, PressFit=No, Sense=No, SMD=Yes, Socket=No, Status=None
R19: library part R0402_1K_1%_0.0625W_100PPM, "Resistor - 1%", Case=0402, Manufacturer=GENERIC, Manufacturer1 ComponentHeight=0.4mm, Manufacturer1 Example="YAGEO PHYCOMP", Manufacturer1 Part Number=232270671002L, Power=0.0625W, Tolerance=±1%, Author="CERN DEM JLC", Component Type=Standard, CreateDate=03.12.2007, HelpURL=\\cern.ch\dfs\Applications\Altium\Datasheets\R0402_Phycomp_RC0402.pdf, LatestRevisionDate=17.10.2012, Manufacturer Part Number=R0402_1K_1%_0.0625W_100PPM, Mounted=Yes, Part Description="General Purpose Thick Film Chip Resistor", Part Number=R0402_1K_1%_0.0625W_100PPM, Pin Count=2, PressFit=No, Sense=No, SMD=Yes, Socket=No, Status="Not Recommended", TC=±100ppm/°C
R37 R38 R39 R40: library part R0603_0R_JUMPER, "Resistor", Case=0603, Manufacturer=GENERIC, Manufacturer1 ComponentHeight=0.55mm, Manufacturer1 Example="NIC COMPONENT", Manufacturer1 Part Number=NRC06Z0, Author="CERN DEM JLC", Component Type=Standard, CreateDate=03.12.2007, HelpURL=\\cern.ch\dfs\Applications\Altium\Datasheets\R0603_NIC_NRC.pdf, LatestRevisionDate=13.03.2008, Manufacturer Part Number=R0603_0R_JUMPER, Mounted=Yes, Part Description="1A (0.05R Max DC Resistance) Zero Ohm Jumper", Part Number=R0603_0R_JUMPER, Pin Count=2, PressFit=No, Sense=No, SMD=Yes, Socket=No, Status=Preferred
RL1: library part REL_OMRON_G2RL-24, "DPDT Power Relay, G2RL Series", Manufacturer="OMRON ELECTRONIC", Manufacturer Part Number=G2RL-2-5DC, Part Number=REL_OMRON_G2RL-2-5DC, Author=GK, Component Type=Standard, ComponentHeight=15.7mm, CreateDate=16.06.2015, HelpURL=\\cern.ch\dfs\Applications\Altium\Datasheets\REL_OMRON_G2RL-24.pdf, LatestRevisionDate=16.06.2015, Mounted=Yes, PackageDescription="8 Leads, Row Spacing 7.5mm; Body 29mm x 12.7mm, OMRON_G2RL Series", Part Description="DPDT Power Relay, G2RL Series", Pin Count=8, PressFit=No, Sense=No, SMD=No, Socket=No, Status=None
ST2: library part SCHROFF_PANEL_3U_8HP_CPCIS_PSU, "Schroff 8HP 4U EUROCARD Panel with ejector", Manufacturer=Schroff, Manufacturer Part Number=20848589, Manufacturer Part Number 2=20848589
T1 T2 T3 T4: "N-CHANNEL MOSFET WITH DIODE", Case=SOT23-3, Manufacturer="ON SEMICONDUCTOR", Author="CERN DEM JLC", Bonding=No, Component Type=Standard, ComponentHeight=1.11mm, CreateDate=23.03.2009, Device=BSS138LT1G, HelpURL=\\cern.ch\dfs\Applications\Altium\Datasheets\BSS138LT1G.pdf, LatestRevisionDate=23.03.2009, Manufacturer Part Number=BSS138LT1G, Mounted=Yes, PackageDescription="SOT23 3-Leads, Pitch 0.95mm - Body 1.4x3mm, IPC Medium Density", Part Description="50V 200mA N-Channel Enhancement Mode Field-Effect Transistor", Part Number=BSS138LT1G, Pin Count=3, PressFit=No, Sense=No, SMD=Yes, Socket=No

## Via types
v1: diameter 0.65, hole 0.3, Top Layer to Bottom Layer, 56 vias
v2: diameter 1, hole 0.5, Top Layer to Bottom Layer, 6 vias
v3: diameter 0.7, hole 0.4, Top Layer to Bottom Layer, 2 vias

## Nets (pads, with @x,y where several pads share a name; then routed paths per layer and width w, separated by ;. In a path a pad name is that pad's centre, name@x,y a point inside that pad or via, vN(x,y) a via of type N, cw(c..) or ccw(c..) an arc to the next point about the centre after c; other vN are vias at no path point)
0.825V: IC2.5 R6.1 R60.2 | length 9
  Top Layer w0.127: v1(13.462,37.236) 13.524,37.174 14.559,37.174 14.676,37.057 15.038,37.057 v1(15.138,36.957)
  Bottom Layer w0.127: R60.2@10.246,38.102 10.632,37.665 11.287,37.338 v1(13.462,37.236) ; IC2.5@14.805,33.391 14.805,34.689 15.121,35.005 R6.1@15.121,35.81 15.138,35.827 v1(15.138,36.957)
0.4125V: IC2.9 R8.2 R11.1 | length 7.3
  Bottom Layer w0.2: R11.1@16.423,25.782 16.423,27.168 16.075,27.516 IC2.9@16.075,27.991 16.075,29.141 16.899,29.966 R8.2@19.488,29.966
1.65V: IC4.5 R4.2 R48.1 | length 3.7
  Bottom Layer w0.127: IC4.5@14.536,45.707 14.536,47.474 R48.1@14.808,47.746
  Bottom Layer w0.4: R4.2@13.295,47.732 13.309,47.746 14.808,47.746 R48.1@14.823,47.761
1.2375V: IC4.9 R56.2 R58.1 | length 7.6
  Bottom Layer w0.127: R58.1@15.336,38.48 15.336,39.362 IC4.9@15.806,39.832 ; IC4.9@15.806,40.307 IC4.9@15.806,39.832 ; 17.358,39.268 16.667,39.268 16.512,39.423 16.512,39.522 16.438,39.596 16.042,39.596 IC4.9@15.806,39.832 ; 17.359,39.269 17.485,39.269 17.639,39.423 17.639,39.471 17.689,39.521 19.076,40.578 19.151,40.653 R56.2@19.151,42.067
5VSTBY: J2.C5 J2.C6 | length 2.5
  Bottom Layer w0.4: J2.C5@146.46,60.158 J2.C6@146.46,62.698
+12V_Sense: J2.A3
AC_L: J2.P1 R17.1 | length 134.8
  Top Layer w2: v2(41.38,62.88) 45.792,58.469 45.792,41.83 65.448,22.173 135.855,22.173 139,19.028 143.77,19.028 J2.P1@143.92,18.878
  Bottom Layer w2: R17.1@37.426,63.734 37.901,63.259 41.001,63.259 41.342,62.919 v2(41.38,62.88)
  other v2: 40.508,62.086 42.266,63.816
AC_N: J2.P2 R18.1 | length 140.9
  Top Layer w2: v2@40.309,77.667 46.403,71.574 46.403,64.221 50.292,60.333 50.292,44.525 67.462,27.355 140.823,27.355 143.083,25.095 143.256,25.095
  Bottom Layer w2: 38.822,76.604 38.822,79.086 R18.1@38.89,79.155
  other v2: 38.707,76.093 39.579,76.887 40.465,77.823
DC_IN: J2.P4 | length 17.5
  Bottom Layer w2: J2.P4@143.92,40.468 J2.P4@146.46,40.468 J2.P4@149,40.468 J2.P4@151.292,40.468 ; J2.P4@143.99,37.915 144.003,37.928 J2.P4@146.46,37.928 J2.P4@149,37.928 J2.P4@151.54,37.928 ; J2.P4@151.54,37.934 J2.P4@151.54,40.468